# Altium PCB L1_SmashBoy_PCB2.PcbDoc (part 1 of 3) (continued)
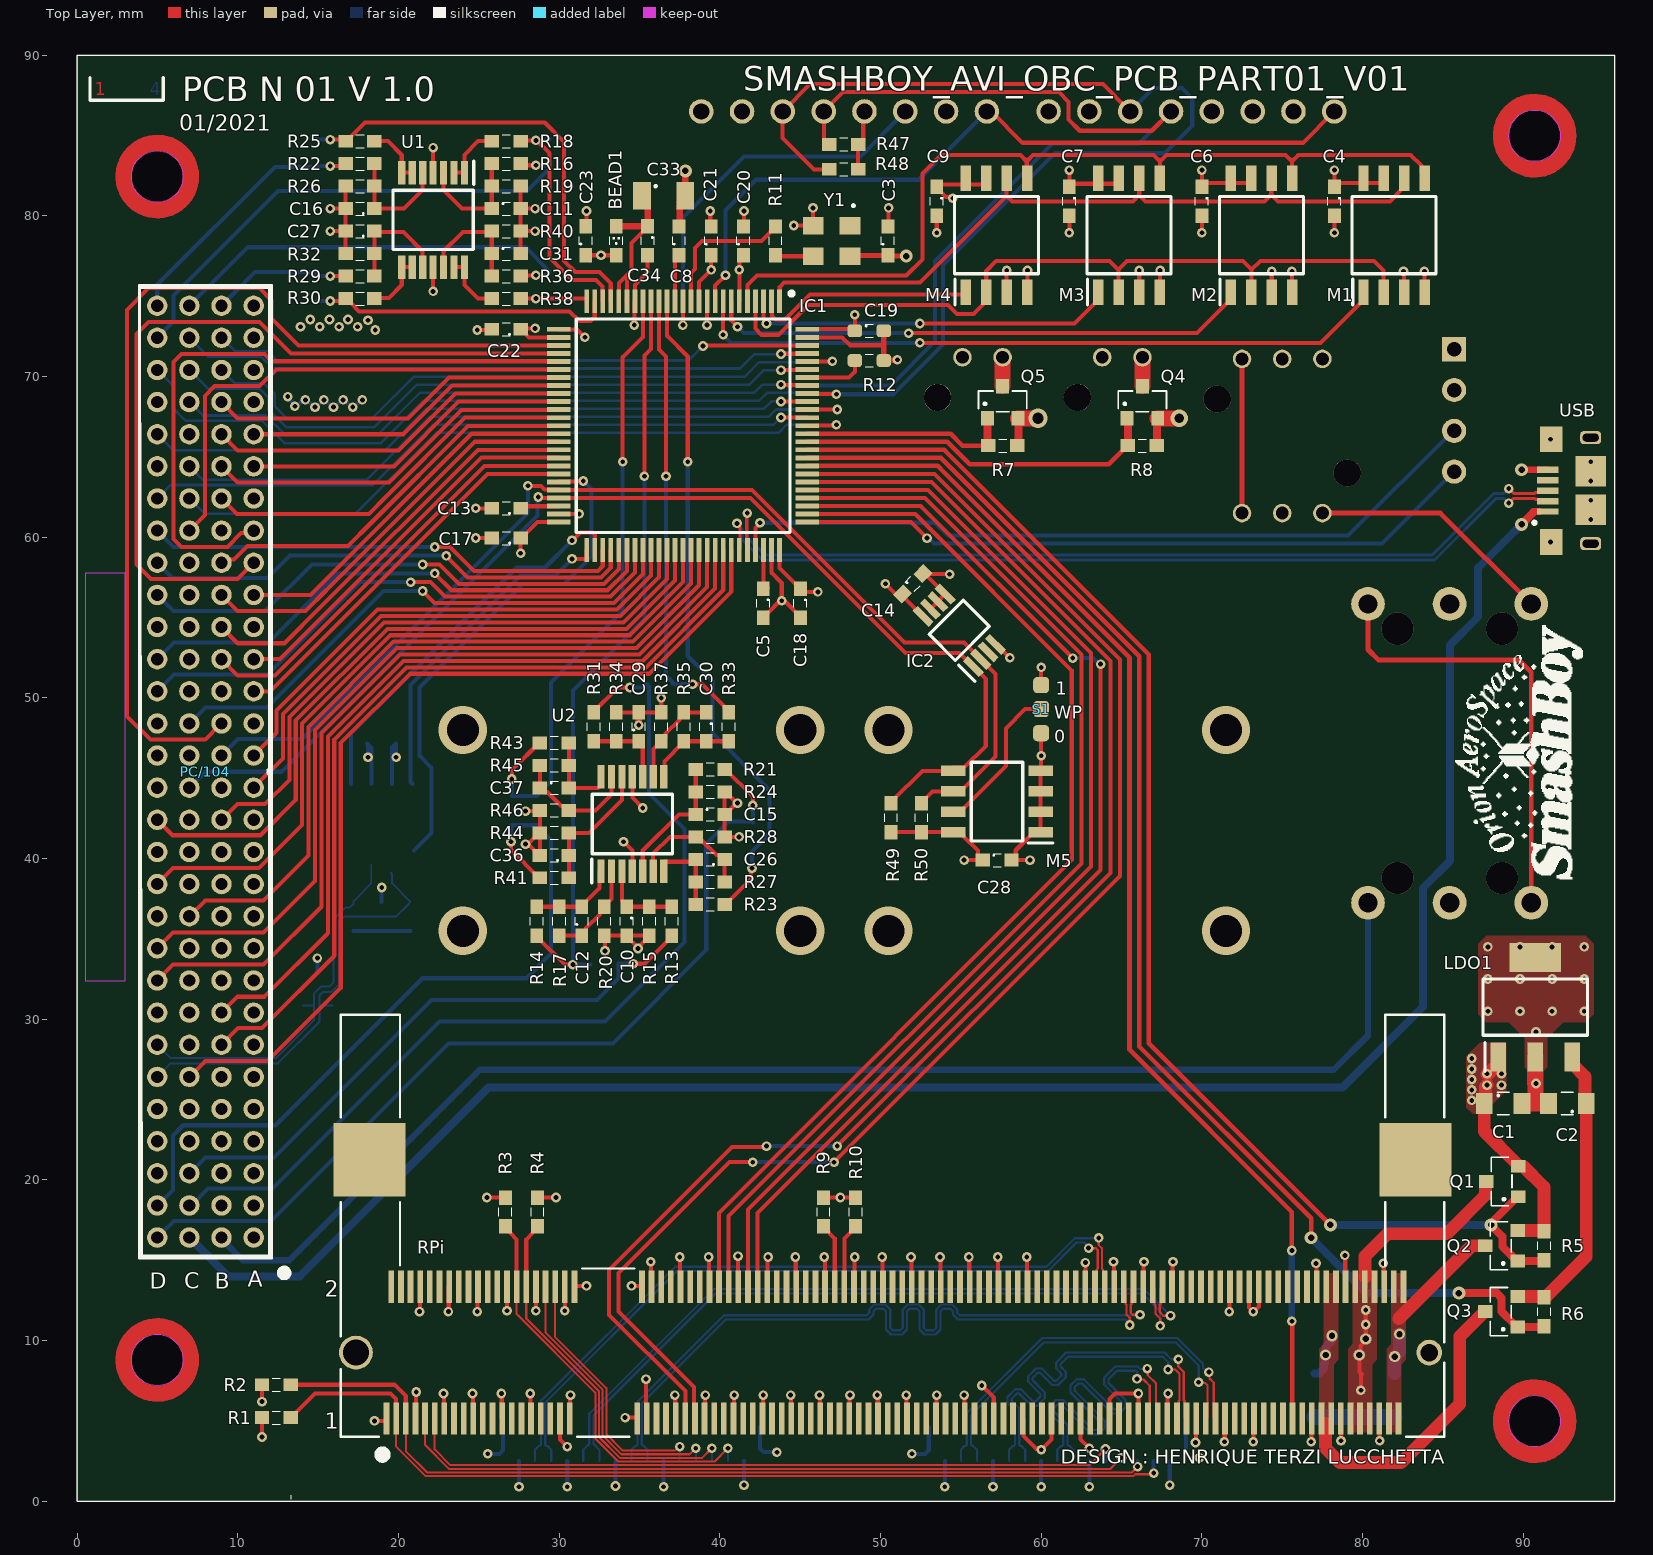
[diagram p0: Top Layer view]
## Components (designator, comment, footprint, x,y, rotation, side; value= is the part's Value field where it differs from the comment) (continued)
PC/104 "1375799-1" 1375799-1 4.98,16.41 r0 top locked
Q1 "IRLML6401" SOT-23 88.7,19.9 r180 top
Q2 "IRLML6401" SOT-23 88.65,15.9 r180 top
Q3 "IRLML6401" SOT-23 88.65,11.8 r180 top
Q4 "Si2312BDS" SOT-23 66.3,68.4 r90 top
Q5 "Si2312BDS" SOT-23 57.6,68.4 r90 top
R1 "1k8" RES0603#1 12.4,5.2 r180 top
R2 "1k8" RES0603#1 12.4,7.25 r180 top
R3 "1k8" RES0603#1 26.65,18 r90 top
R4 "1k8" RES0603#1 28.65,18 r90 top
R5 "100k" RES0603#1 91.3,15.9 r270 top
R6 "100k" RES0603#1 91.3,11.8 r270 top
R7 "10k" RES0603#1 57.6,65.7 r180 top
R8 "10k" RES0603#1 66.3,65.7 r180 top
R9 "100k" RES0603#1 46.45,18 r90 top
R10 "100k" RES0603#1 48.45,18 r90 top
R11 "22R" RES0603#1 43.459,78.44 r90 top
R12 "10k" RES0603#2 49.3,71 r0 top
R13 "R" RES0603#1 37,36.1 r270 top
R14 "1k" RES0603#1 28.6,36.1 r270 top
R15 "R" RES0603#1 35.6,36.1 r90 top
R16 "R" RES0603#1 26.7,83.25 r0 top
R17 "R" RES0603#1 30,36.1 r90 top
R18 "1k" RES0603#1 26.7,84.65 r0 top
R19 "R" RES0603#1 26.7,81.85 r180 top
R20 "R" RES0603#1 32.8,36.1 r90 top
R21 "R" RES0603#1 39.4,45.55 r0 top
R22 "R" RES0603#1 17.6,83.25 r180 top
R23 "1k" RES0603#1 39.4,37.15 r0 top
R24 "R" RES0603#1 39.4,44.15 r180 top
R25 "1k" RES0603#1 17.6,84.65 r180 top
R26 "R" RES0603#1 17.6,81.85 r0 top
R27 "R" RES0603#1 39.4,38.55 r180 top
R28 "R" RES0603#1 39.4,41.35 r180 top
R29 "R" RES0603#1 17.6,76.25 r180 top
R30 "1k" RES0603#1 17.6,74.85 r180 top
R31 "R" RES0603#1 32.15,48.2 r90 top
R32 "R" RES0603#1 17.6,77.65 r0 top
R33 "1k" RES0603#1 40.55,48.2 r90 top
R34 "R" RES0603#1 33.55,48.2 r270 top
R35 "R" RES0603#1 37.75,48.2 r270 top
R36 "R" RES0603#1 26.7,76.25 r0 top
R37 "R" RES0603#1 36.35,48.2 r270 top
R38 "1k" RES0603#1 26.7,74.85 r0 top
R39 "60" RES0603#1 17.2,36.4 r90 bottom
R40 "R" RES0603#1 26.7,79.05 r180 top
R41 "R" RES0603#1 29.7,38.8 r180 top
R42 "60" RES0603#1 20.7,36.4 r270 bottom
R43 "1k" RES0603#1 29.7,47.2 r180 top
R44 "R" RES0603#1 29.7,41.6 r0 top
R45 "R" RES0603#1 29.7,45.8 r0 top
R46 "R" RES0603#1 29.7,43 r0 top
R47 "10k" RES0603#1 47.7,84.45 r0 top
R48 "10k" RES0603#1 47.7,82.9 r0 top
R49 "10k" RES0603#1 50.65,42.55 r270 top
R50 "10k" RES0603#1 52.55,42.55 r270 top
RBF "Remove Before Flight" RBF 80.34,37.25 r90 bottom locked
RPi "Raspberry CM3" RPi-CM3 50.75,9.25 r0 top locked
S1 "Write Protection Select" Header-3P 59.95,49.2 r270 top
U1 "TSV994AIPT" SOP65P640X120-14N 22.15,79.75 r270 top
U2 "TSV994AIPT" SOP65P640X120-14N 34.55,42.15 r90 top
U3 "NUP2105L" SOT-23 14.9,31.9 r90 bottom locked
U4 "BNO055 Module" BNO055_M_TH 38.84,86.5 r0 bottom locked
U5 "BNO055 Module" BNO055_M_TH 60.46,86.5 r0 bottom locked
U6 "SN65HVD234" SOIC-8 18.95,42.2 r0 bottom
USB "Micro-USB" MicroUSB 94.2,62.9 r90 top locked
Y1 "ECS-3225MV-260-CN-TR" ECS3225MVQ250CNTR 46.959,78.44 r180 top

## Footprints (in the part's own frame and the unit in brackets; to place one, negate y for a bottom-side part, rotate by r counter-clockwise, add the part's x,y. Pads: shape width x height; smd on the part's side, far side on the other; paste and mask are expansions set on the pad)
2-1971800-4 [mm]
  round 1.15 hole 0.8: 1(0,0) 2(-2.5,0)
  round 1.7 hole 1.7 unplated: ""(1.55,-2.5)
  silkscreen extent -5,-4.32 3.28,3.05, body extent -5.02,-4.32 2.48,3.06, height 8.8
3-1971800-3 [mm]
  round 1.15 hole 0.8: 1(2.5,0) 2(0,0) 3(-2.5,0)
  round 1.7 hole 1.7 unplated: ""(4.05,-2.5)
  silkscreen extent -5,-4.32 5.78,3.43, body extent -5.04,-4.32 4.96,3.06, height 8.85
1375799-1 [mm] "PC/104 120 Position  2mm"
  round 1.27 hole 0.762 mask+0: 1(6,0) 2(6,2) 3(6,4) 4(6,6) 5(6,8) 6(6,10) 7(6,12) 8(6,14) 9(6,16) 10(6,18) 11(6,20) 12(6,22) 13(6,24) 14(6,26) 15(6,28) 16(6,30) 17(6,32) 18(6,34) 19(6,36) 20(6,38) 21(6,40) 22(6,42) 23(6,44) 24(6,46) 25(6,48) 26(6,50) 27(6,52) 28(6,54) 29(6,56) 30(6,58) 31(4,0) 32(4,2) 33(4,4) 34(4,6) 35(4,8) 36(4,10) 37(4,12) 38(4,14) 39(4,16) 40(4,18) 41(4,20) 42(4,22) 43(4,24) 44(4,26) 45(4,28) 46(4,30) 47(4,32) 48(4,34) 49(4,36) 50(4,38) 51(4,40) 52(4,42) 53(4,44) 54(4,46) 55(4,48) 56(4,50) 57(4,52) 58(4,54) 59(4,56) 60(4,58) 61(2,0) 62(2,2) 63(2,4) 64(2,6) 65(2,8) 66(2,10) 67(2,12) 68(2,14) 69(2,16) 70(2,18) 71(2,20) 72(2,22) 73(2,24) 74(2,26) 75(2,28) 76(2,30) 77(2,32) 78(2,34) 79(2,36) 80(2,38) 81(2,40) 82(2,42) 83(2,44) 84(2,46) 85(2,48) 86(2,50) 87(2,52) 88(2,54) 89(2,56) 90(2,58) 91(0,0) 92(0,2) 93(0,4) 94(0,6) 95(0,8) 96(0,10) 97(0,12) 98(0,14) 99(0,16) 100(0,18) 101(0,20) 102(0,22) 103(0,24) 104(0,26) 105(0,28) 106(0,30) 107(0,32) 108(0,34) 109(0,36) 110(0,38) 111(0,40) 112(0,42) 113(0,44) 114(0,46) 115(0,48) 116(0,50) 117(0,52) 118(0,54) 119(0,56) 120(0,58)
  silkscreen extent -1.13,-2.4 8.1,59.28, body extent -1,-1.15 7.39,59.15, height 9.45
BNO055_M_TH [mil] "Module Board"
  round 60 hole 40: 1(0,0) 2(100,0) 3(200,0) 4(300,0) 5(400,0) 6(500,0) 7(600,0) 8(700,0)
  silkscreen extent -52,-47 752,425, body extent -52,-49 752,425, height 208
CAP0603_060#1 [mm]
  rect 0.9x0.8 smd: 1(-0.9,0) 2(0.9,0)
  silkscreen extent -0.25,-0.4 0.25,0.4, body extent -0.8,-0.4 0.8,0.4, height 0.6
CAP0603_060#2 [mm]
  rrect50% 0.9x0.8 smd: 1(-0.9,0) 2(0.9,0)
  silkscreen extent -0.25,-0.4 0.25,0.4, body extent -0.8,-0.4 0.8,0.4, height 0.6
CAP0805_085 [mm]
  rect 1.05x1.3 smd: 1(-1.175,0) 2(1.175,0)
  silkscreen extent -0.38,-0.7 0.38,0.7, body extent -1,-0.62 1,0.63, height 0.85
CAP1206_090 [mm]
  rect 1.1x1.7 smd: 1(-1.35,0) 2(1.35,0)
  silkscreen extent -0.57,-0.8 0.4,0.8, body extent -1.6,-0.8 1.6,0.8, height 0.9
ECS3225MVQ250CNTR [mm]
  rect 1.3x1.1 smd: 1(-1.15,-0.95) 2(1.15,-0.95) 3(1.15,0.95) 4(-1.15,0.95)
  silkscreen extent -1.4,-2.25 -1.3,-2.15, body extent -1.69,-1.39 1.69,1.39, height 1.3
Header-3P [mm]
  rrect50% 1x1 smd: 1(-1.6,0.05) 2(-0.1,0.05) 3(1.4,0.05)
Header-4P-90 [mm]
  rect 1.5x1.5 hole 0.9: 1(-3.81,0)
  round 1.5 hole 0.9: 2(-1.27,0) 3(1.27,0) 4(3.81,0)
  silkscreen extent -5.08,-3.87 5.14,1.21, body extent -5.08,-10 5.08,0.32, height 2.55
IND0603 [mm]
  rect 0.9x0.8 smd: 1(-0.9,0) 2(0.9,0)
  silkscreen extent -0.25,-0.4 0.25,0.4, body extent -0.87,-0.47 0.88,0.48, height 0.9
MicroUSB [mm]
  rect 0.4x1.35 smd: 1(-1.3,2.675) 2(-0.65,2.675) 3(0,2.675) 4(0.65,2.675) 5(1.3,2.675)
  rrect50% 0.8x1.3 hole 0.5 slot 1 at 90 deg: SH(-3.3,0) SH(3.3,0)
  rect 1.6x1.4 smd: SH(-3.2,2.45) SH(3.2,2.45)
  rect 1.9x1.9 smd: SH(-1.2,0) SH(1.2,0)
  silkscreen extent -2.1,3.4 -1.9,3.6, body extent -3.93,-2.76 3.93,2.95, height 2.84
QFP50P1600X1600X160-100N [mm]
  rect 1.475x0.3 smd: 1(-7.738,6) 2(-7.738,5.5) 3(-7.738,5) 4(-7.738,4.5) 5(-7.738,4) 6(-7.738,3.5) 7(-7.738,3) 8(-7.738,2.5) 9(-7.738,2) 10(-7.738,1.5) 11(-7.738,1) 12(-7.738,0.5) 13(-7.738,0) 14(-7.738,-0.5) 15(-7.738,-1) 16(-7.738,-1.5) 17(-7.738,-2) 18(-7.738,-2.5) 19(-7.738,-3) 20(-7.738,-3.5) 21(-7.738,-4) 22(-7.738,-4.5) 23(-7.738,-5) 24(-7.738,-5.5) 25(-7.738,-6) 51(7.738,-6) 52(7.738,-5.5) 53(7.738,-5) 54(7.738,-4.5) 55(7.738,-4) 56(7.738,-3.5) 57(7.738,-3) 58(7.738,-2.5) 59(7.738,-2) 60(7.738,-1.5) 61(7.738,-1) 62(7.738,-0.5) 63(7.738,0) 64(7.738,0.5) 65(7.738,1) 66(7.738,1.5) 67(7.738,2) 68(7.738,2.5) 69(7.738,3) 70(7.738,3.5) 71(7.738,4) 72(7.738,4.5) 73(7.738,5) 74(7.738,5.5) 75(7.738,6)
  rect 0.3x1.475 smd: 26(-6,-7.738) 27(-5.5,-7.738) 28(-5,-7.738) 29(-4.5,-7.738) 30(-4,-7.738) 31(-3.5,-7.738) 32(-3,-7.738) 33(-2.5,-7.738) 34(-2,-7.738) 35(-1.5,-7.738) 36(-1,-7.738) 37(-0.5,-7.738) 38(0,-7.738) 39(0.5,-7.738) 40(1,-7.738) 41(1.5,-7.738) 42(2,-7.738) 43(2.5,-7.738) 44(3,-7.738) 45(3.5,-7.738) 46(4,-7.738) 47(4.5,-7.738) 48(5,-7.738) 49(5.5,-7.738) 50(6,-7.738) 76(6,7.738) 77(5.5,7.738) 78(5,7.738) 79(4.5,7.738) 80(4,7.738) 81(3.5,7.738) 82(3,7.738) 83(2.5,7.738) 84(2,7.738) 85(1.5,7.738) 86(1,7.738) 87(0.5,7.738) 88(0,7.738) 89(-0.5,7.738) 90(-1,7.738) 91(-1.5,7.738) 92(-2,7.738) 93(-2.5,7.738) 94(-3,7.738) 95(-3.5,7.738) 96(-4,7.738) 97(-4.5,7.738) 98(-5,7.738) 99(-5.5,7.738) 100(-6,7.738)
  silkscreen extent -8.35,-6.65 6.65,6.88, body extent -8,-8 8,8, height 1.6
RBF [mm]
  round 2.1 hole 1.2: 1(0,0) 2(0,5.08) 3(0,10.16) 4(18.6,0) 5(18.6,5.08) 6(18.6,10.16)
  silkscreen extent -0.05,-4.45 18.6,14.75, body extent -0.07,-4.48 18.63,23.12, height 8.5
RES0603#1 [mm]
  rect 0.9x0.8 smd: 1(-0.9,0) 2(0.9,0)
  silkscreen extent -0.25,-0.4 0.25,0.4, body extent -1.05,-0.4 1.05,0.4, height 0.5
RES0603#2 [mm]
  rrect50% 0.9x0.8 smd: 1(-0.9,0) 2(0.9,0)
  silkscreen extent -0.25,-0.4 0.25,0.4, body extent -1.05,-0.4 1.05,0.4, height 0.5
RPi-CM3 [mil]
  rect 14x79 smd paste+0 mask+0: 1(-1240.16,-161.5) 2(-1228.35,161.5) 3(-1216.54,-161.5) 4(-1204.73,161.5) 5(-1192.92,-161.5) 6(-1181.11,161.5) 7(-1169.3,-161.5) 8(-1157.49,161.5) 9(-1145.68,-161.5) 10(-1133.87,161.5) 11(-1122.06,-161.5) 12(-1110.25,161.5) 13(-1098.44,-161.5) 14(-1086.63,161.5) 15(-1074.82,-161.5) 16(-1063.01,161.5) 17(-1051.2,-161.5) 18(-1039.39,161.5) 19(-1027.58,-161.5) 20(-1015.77,161.5) 21(-1003.96,-161.5) 22(-992.15,161.5) 23(-980.34,-161.5) 24(-968.53,161.5) 25(-956.72,-161.5) 26(-944.91,161.5) 27(-933.1,-161.5) 28(-921.29,161.5) 29(-909.48,-161.5) 30(-897.67,161.5) 31(-885.86,-161.5) 32(-874.05,161.5) 33(-862.24,-161.5) 34(-850.43,161.5) 35(-838.62,-161.5) 36(-826.81,161.5) 37(-815,-161.5) 38(-803.19,161.5) 39(-791.38,-161.5) 40(-779.57,161.5) 41(-626.03,-161.5) 42(-614.22,161.5) 43(-602.41,-161.5) 44(-590.6,161.5) 45(-578.79,-161.5) 46(-566.98,161.5) 47(-555.17,-161.5) 48(-543.36,161.5) 49(-531.55,-161.5) 50(-519.74,161.5) 51(-507.93,-161.5) 52(-496.12,161.5) 53(-484.31,-161.5) 54(-472.5,161.5) 55(-460.69,-161.5) 56(-448.88,161.5) 57(-437.07,-161.5) 58(-425.26,161.5) 59(-413.45,-161.5) 60(-401.64,161.5) 61(-389.83,-161.5) 62(-378.02,161.5) 63(-366.21,-161.5) 64(-354.4,161.5) 65(-342.59,-161.5) 66(-330.78,161.5) 67(-318.97,-161.5) 68(-307.16,161.5) 69(-295.35,-161.5) 70(-283.54,161.5) 71(-271.73,-161.5) 72(-259.92,161.5) 73(-248.11,-161.5) 74(-236.3,161.5) 75(-224.49,-161.5) 76(-212.68,161.5) 77(-200.87,-161.5) 78(-189.06,161.5) 79(-177.25,-161.5) 80(-165.44,161.5) 81(-153.63,-161.5) 82(-141.82,161.5) 83(-130.01,-161.5) 84(-118.2,161.5) 85(-106.39,-161.5) 86(-94.58,161.5) 87(-82.77,-161.5) 88(-70.96,161.5) 89(-59.15,-161.5) 90(-47.34,161.5) 91(-35.53,-161.5) 92(-23.72,161.5) 93(-11.91,-161.5) 94(-0.1,161.5) 95(11.71,-161.5) 96(23.52,161.5) 97(35.33,-161.5) 98(47.14,161.5) 99(58.95,-161.5) 100(70.76,161.5) 101(82.57,-161.5) 102(94.38,161.5) 103(106.19,-161.5) 104(118,161.5) 105(129.81,-161.5) 106(141.62,161.5) 107(153.43,-161.5) 108(165.24,161.5) 109(177.05,-161.5) 110(188.86,161.5) 111(200.67,-161.5) 112(212.48,161.5) 113(224.29,-161.5) 114(236.1,161.5) 115(247.91,-161.5) 116(259.72,161.5) 117(271.53,-161.5) 118(283.34,161.5) 119(295.15,-161.5) 120(306.96,161.5) 121(318.77,-161.5) 122(330.58,161.5) 123(342.39,-161.5) 124(354.2,161.5) 125(366.01,-161.5) 126(377.82,161.5) 127(389.63,-161.5) 128(401.44,161.5) 129(413.25,-161.5) 130(425.06,161.5) 131(436.87,-161.5) 132(448.68,161.5) 133(460.49,-161.5) 134(472.3,161.5) 135(484.11,-161.5) 136(495.92,161.5) 137(507.73,-161.5) 138(519.54,161.5) 139(531.35,-161.5) 140(543.16,161.5) 141(554.97,-161.5) 142(566.78,161.5) 143(578.59,-161.5) 144(590.4,161.5) 145(602.21,-161.5) 146(614.02,161.5) 147(625.83,-161.5) 148(637.64,161.5) 149(649.45,-161.5) 150(661.26,161.5) 151(673.07,-161.5) 152(684.88,161.5) 153(696.69,-161.5) 154(708.5,161.5) 155(720.31,-161.5) 156(732.12,161.5) 157(743.93,-161.5) 158(755.74,161.5) 159(767.55,-161.5) 160(779.36,161.5) 161(791.17,-161.5) 162(802.98,161.5) 163(814.79,-161.5) 164(826.6,161.5) 165(838.41,-161.5) 166(850.22,161.5) 167(862.03,-161.5) 168(873.84,161.5) 169(885.65,-161.5) 170(897.46,161.5) 171(909.27,-161.5) 172(921.08,161.5) 173(932.89,-161.5) 174(944.7,161.5) 175(956.51,-161.5) 176(968.32,161.5) 177(980.13,-161.5) 178(991.94,161.5) 179(1003.75,-161.5) 180(1015.56,161.5) 181(1027.37,-161.5) 182(1039.18,161.5) 183(1050.99,-161.5) 184(1062.8,161.5) 185(1074.61,-161.5) 186(1086.42,161.5) 187(1098.23,-161.5) 188(1110.04,161.5) 189(1121.85,-161.5) 190(1133.66,161.5) 191(1145.47,-161.5) 192(1157.28,161.5) 193(1169.09,-161.5) 194(1180.9,161.5) 195(1192.71,-161.5) 196(1204.52,161.5) 197(1216.33,-161.5) 198(1228.14,161.5) 199(1239.95,-161.5) 200(1251.76,161.5)
  round 83 hole 63 unplated: 202(-1315.04,0)
  round 63 hole 43 mask+0: 203(1314.96,0)
  rect 177x181 smd: 204(-1281.5,472.44) 205(1281.5,472.44)
  silkscreen extent -1352,-260 1352,828, body extent -1402,-196 1413,1182, height 205
RPi_CAM_V2 [mm]
  body extent 0,0 25,24, height 9.15
SFW15R1STE1LF [mm]
  rect 0.6x2 smd: 1(-7,0.5) 2(-6,0.5) 3(-5,0.5) 4(-4,0.5) 5(-3,0.5) 6(-2,0.5) 7(-1,0.5) 8(0,0.5) 9(1,0.5) 10(2,0.5) 11(3,0.5) 12(4,0.5) 13(5,0.5) 14(6,0.5) 15(7,0.5)
  rect 0.7x4.2 smd: MP1(-8,-1.6) MP2(8,-1.6)
  silkscreen extent -10.4,-7.1 10.4,1.1, body extent -10.4,-6.5 10.4,0, height 2.7
SOIC127P600X175-8N [mm]
  rect 1.525x0.65 smd: 1(-2.712,1.905) 2(-2.712,0.635) 3(-2.712,-0.635) 4(-2.712,-1.905) 5(2.712,-1.905) 6(2.712,-0.635) 7(2.712,0.635) 8(2.712,1.905)
  silkscreen extent -3.47,-2.45 1.6,2.58, body extent -3,-2.45 3,2.45, height 1.75
SOIC127P780X195-8N [mm]
  rect 1.6x0.65 smd: 1(-3.55,1.905) 2(-3.55,0.635) 3(-3.55,-0.635) 4(-3.55,-1.905) 5(3.55,-1.905) 6(3.55,-0.635) 7(3.55,0.635) 8(3.55,1.905)
  silkscreen extent -4.35,-2.62 2.4,2.62, body extent -3.9,-2.61 3.9,2.62, height 1.95
SOIC-8 [mm]
  rrect15% 0.6x1.9 smd: 1(-1.905,-2.455) 2(-0.635,-2.455) 3(0.635,-2.455) 4(1.905,-2.455) 5(1.905,2.455) 6(0.635,2.455) 7(-0.635,2.455) 8(-1.905,2.455)
  silkscreen extent -2.45,-1.95 2.45,1.95, body extent -2.5,-3.1 2.5,3.1, height 1.9
SOP65P490X110-8N [mm]
  rect 1.425x0.45 smd: 1(-2.212,0.975) 2(-2.212,0.325) 3(-2.212,-0.325) 4(-2.212,-0.975) 5(2.212,-0.975) 6(2.212,-0.325) 7(2.212,0.325) 8(2.212,0.975)
  silkscreen extent -2.93,-1.5 1.15,1.55, body extent -2.45,-1.5 2.45,1.5, height 1.1
SOP65P640X120-14N [mm]
  rect 1.475x0.45 smd: 1(-2.938,1.95) 2(-2.938,1.3) 3(-2.938,0.65) 4(-2.938,0) 5(-2.938,-0.65) 6(-2.938,-1.3) 7(-2.938,-1.95) 8(2.938,-1.95) 9(2.938,-1.3) 10(2.938,-0.65) 11(2.938,0) 12(2.938,0.65) 13(2.938,1.3) 14(2.938,1.95)
  silkscreen extent -3.67,-2.5 1.85,2.52, body extent -3.2,-2.5 3.2,2.5, height 1.2
SOT230P700X180-4N [mm]
  rect 1.8x0.95 smd: 1(-3.1,2.3) 2(-3.1,0) 3(-3.1,-2.3)
  rect 1.8x3.2 smd: 4(3.1,0)
  silkscreen extent -4,-3.25 1.75,3.25, body extent -3.5,-3.25 3.5,3.25, height 1.8
SOT-23 [mm]
  rect 0.9x0.8 smd: 1(-1,0.95) 2(-1,-0.95) 3(1,0)
  silkscreen extent -0.6,-1.5 0.7,1.5, body extent -1.3,-1.45 1.3,1.45, height 1

## Part data
BEAD1: library part IND0603, "Indutor SDM 0603"
C1 C2: library part CAP0805, "Capacitor SDM 0805"
C3 C4 C5 C6 C7 C8 C9 C10 C11 C12 C13 C14 C15 C16 C17 C18 C19 C20 C21 C22 C23 C26 C27 C28 C29 C30 C31 C32 C34 C35 C36 C37: library part CAP0603, "Capacitor SDM 0603"
C24 C25 C33 C38 C39 C40: library part CAP1206, "Capacitor SDM 1206"
Cam1 Cam2: library part RPi_Cam_V2
H1: library part Header-4P, "Header 4 Pinos"
IC1: "Integrated Circuit", Manufacturer_Name=STMicroelectronics, Mouser Part Number=511-STM32H750VBT6, Arrow Part Number=STM32H750VBT6, Arrow Price/Stock=https://www.arrow.com/en/products/stm32h750vbt6/stmicroelectronics, Datasheet Link=https://www.st.com/resource/en/datasheet/stm32h750vb.pdf, Height=1.6mm, Manufacturer_Part_Number=STM32H750VBT6, Mouser Price/Stock=https://www.mouser.co.uk/ProductDetail/STMicroelectronics/STM32H750VBT6?qs=%252BEew9%252B0nqrBAeuu%2FsQQSzQ%3D%3D
IC2: "Integrated Circuit", Manufacturer_Name=Nexperia, Mouser Part Number=N/A, Datasheet Link=http://docs-emea.rs-online.com/webdocs/0b4c/0900766b80b4c8ed.pdf, Height=1.1mm, Manufacturer_Part_Number=LM75ADP, Mouser Price/Stock=https://www.mouser.com/Search/Refine.aspx?Keyword=N%2FA
J1 J2: "GRACE INERTIA 2.5, PCB Mount Header, Vertical, Wire-to-Board, 3 Position, 2.5mm [.098in] Centerline, 1 Row, Tin, Red Housing Color, Shrouded"
J3 J4: "GRACE INERTIA 2.5, PCB Mount Header, Vertical, Wire-to-Board, 2 Position, 2.5mm [.098in] Centerline, 1 Row, Tin, Yellow Housing"
J5 J6: library part SFW15R, "Camera Raspberry Pi connector /  / 15 Pos", Manufacturer_Name=Amphenol, Mouser Part Number=649-SFW15R-1STE1LF, Arrow Part Number=SFW15R-1STE1LF, Arrow Price/Stock=https://www.arrow.com/en/products/sfw15r-1ste1lf/amphenol-fci, Datasheet Link=https://componentsearchengine.com/Datasheets/1/SFW15R-1STE1LF.pdf, Height=2.7mm, Manufacturer_Part_Number=SFW15R-1STE1LF, Mouser Price/Stock=https://www.mouser.co.uk/ProductDetail/Amphenol-FCI/SFW15R-1STE1LF/?qs=XRaITl65jnv68s03BNJRSQ%3D%3D
J7 J8 J9 J10 J11 J12 J13 J14 R1 R2 R3 R4 R5 R6 R7 R8 R9 R10 R11 R12 R13 R14 R15 R16 R17 R18 R19 R20 R21 R22 R23 R24 R25 R26 R27 R28 R29 R30 R31 R32 R33 R34 R35 R36 R37 R38 R39 R40 R41 R42 R43 R44 R45 R46 R47 R48 R49 R50: library part RES0603, "Resistor SMD 0603"
LDO1: library part TL1963A-33DCYR, "Power Supply", Manufacturer_Name="Texas Instruments", Mouser Part Number=595-TL1963A-33DCYR, Arrow Part Number=TL1963A-33DCYR, Arrow Price/Stock=https://www.arrow.com/en/products/tl1963a-33dcyr/texas-instruments, Datasheet Link=http://www.ti.com/lit/gpn/tl1963a, Height=1.8mm, Manufacturer_Part_Number=TL1963A-33DCYR, Mouser Price/Stock=https://www.mouser.co.uk/ProductDetail/Texas-Instruments/TL1963A-33DCYR?qs=IK5e5L0zOXhRu%2FNTAfJNEA%3D%3D
M1 M2 M3 M4: "Inductor", Arrow Part Number="W25Q128JVSIQ TR", Manufacturer_Name=Winbond, Mouser Part Number=454-W25Q128JVSIQTR, Arrow Price/Stock=https://www.arrow.com/en/products/w25q128jvsiqtr/winbond-electronics, Datasheet Link=http://www.winbond.com/resource-files/w25q128jv%20spi%20revc%2011162016.pdf, Height=1.95mm, Manufacturer_Part_Number="W25Q128JVSIQ TR", Mouser Price/Stock=https://www.mouser.co.uk/ProductDetail/Winbond/W25Q128JVSIQ-TR?qs=qSfuJ%252Bfl%2Fd7vTyLA9kNdGw%3D%3D
M5: "Integrated Circuit", Arrow Part Number=24LC04BT-I/SN, Manufacturer_Name=Microchip, Mouser Part Number=579-24LC04BT-I/SN, Arrow Price/Stock=https://www.arrow.com/en/products/24lc04bt-isn/microchip-technology, Datasheet Link=http://ww1.microchip.com/downloads/en/DeviceDoc/21708G.pdf, Height=1.75mm, Manufacturer_Part_Number=24LC04BT-I/SN, Mouser Price/Stock=https://www.mouser.co.uk/ProductDetail/Microchip-Technology/24LC04BT-I-SN?qs=C%252BuF95oynlkH1rHYRC6xpQ%3D%3D
PC/104: "AMPMODU PC/104, PC/104 Connectors, Board-to-Board, 120 Position, 2mm [.079in] Centerline, Printed Circuit Board, 3A Contact Current Rating (Max)"
Q1 Q2 Q3: "P-Channel MOSFET / Vds: -12V / Id: -4.3A / V(GS)th: -0.95 max"
Q4 Q5: library part Si2312, "N-Channel MOSFET / Vds: 20V / Id: 3.1A, 5sec: 5A / Vth: 0.85 max"
RBF: library part RBF
RPi: library part Raspberry_CM3
S1: library part Header-3P, "Header 3 Pinos"
U1 U2: library part TSV994, "Rail-to-rail input/output 20 MHz GBP operational amplifiers", Manufacturer_Name=STMicroelectronics, Mouser Part Number=511-TSV994AIPT, Arrow Part Number=TSV994AIPT, Arrow Price/Stock=https://www.arrow.com/en/products/tsv994aipt/stmicroelectronics, Datasheet Link=http://www.st.com/st-web-ui/static/active/en/resource/technical/document/datasheet/CD00144611.pdf, Height=1.2mm, Manufacturer_Part_Number=TSV994AIPT, Mouser Price/Stock=https://www.mouser.co.uk/ProductDetail/STMicroelectronics/TSV994AIPT/?qs=Djavi1aLnwoYgszHfckxOw%3D%3D
U3: "Par de diodos protetores da CAN"
U4 U5: library part BNO055_M, "Smart sensor combining accelerometer, gyroscope, magnetometer and orientation software. Euler angles, quaternion, rotation vector, etc."
U6: "3.3-V Automotive CAN Bus Transceivers"
USB: library part USB-Micro
Y1: library part ECS-3225MV-250-BN-TR, "Crystal or Oscillator", Manufacturer_Name=ECS, Mouser Part Number=520-3225MV-250-BNT, Arrow Part Number=ECS-3225MV-250-BN-TR, Arrow Price/Stock=https://www.arrow.com/en/products/ecs-3225mv-250-bn-tr/ecs-international, Datasheet Link=https://componentsearchengine.com/Datasheets/1/ECS-3225MV-250-BN-TR.pdf, Height=1.2mm, Manufacturer_Part_Number=ECS-3225MV-250-BN-TR, Mouser Price/Stock=https://www.mouser.co.uk/ProductDetail/ECS/ECS-3225MV-250-BN-TR?qs=qSfuJ%252Bfl%2Fd73PYo4tF1NlA%3D%3D

## Via types
v1: diameter 0.6, hole 0.3, Top Layer to Bottom Layer, tented both sides, 280 vias
v2: diameter 0.8, hole 0.4, Top Layer to Bottom Layer, tented both sides, 8 vias
v3: diameter 3, hole 2, Top Layer to Bottom Layer, 8 vias
v4: diameter 0.7, hole 0.4, Top Layer to Bottom Layer, tented both sides, 6 vias
v5: diameter 2, hole 2, Top Layer to Bottom Layer, 4 vias
v6: diameter 1.2, hole 0.7, Top Layer to Bottom Layer, tented both sides, 1 vias
v7: diameter 1.1, hole 0.6, Top Layer to Bottom Layer, tented both sides, 1 vias

## Nets (pads, with @x,y where several pads share a name; then routed paths per layer and width w, separated by ;. In a path a pad name is that pad's centre, name@x,y a point inside that pad or via, vN(x,y) a via of type N, cw(c..) or ccw(c..) an arc to the next point about the centre after c; other vN are vias at no path point)
3V3: BEAD1.1 C1.1 C3.1 C4.1 C6.1 C7.1 C9.1 C14.1 C17.1 C18.1 C19.1 C20.1 C21.1 C22.1 C23.1 C24.1 C25.1 C28.1 C35.1 H1.1 IC1.6 IC1.11 IC1.27 IC1.50 IC1.75 IC1.100 IC2.8 LDO1.1 M1.3 M1.7 M1.8 M2.3 M2.7 M2.8 M3.3 M3.7 M3.8 M4.3 M4.7 M4.8 M5.8 PC/104.8 PC/104.12 PC/104.17 PC/104.41 PC/104.45 PC/104.70 PC/104.74 PC/104.98 PC/104.103 PC/104.107 Q1.2 Q2.2 R5.1 R47.2 R48.2 R49.2 R50.2 S1.1 U1.4 U2.4 U4.1 U4.5 U5.1 U6.3 Y1.4 | length 117.6
  Top Layer w0.254: U1.4@22.15,82.688 v1(22.15,84.25) ; v1(27.6,59) 27.6,59.931 C17.1@27.609,59.94 27.659,59.94 28.659,60.94 IC1.50@29.971,60.94 ; v1(28.5,73) 27.669,73 C22.1@27.609,72.94 27.659,72.94 27.932,72.667 27.932,72.617 28.109,72.44 IC1.27@29.459,72.44 ; C23.1@31.923,77.227 31.65,77.5 C23.1@31.65,77.55 v1(32.6,77.55) BEAD1.1@33.55,77.55 ; v1(34,41.05) 34.55,40.5 U2.4@34.55,39.212 ; IC1.11@38.709,74.69 38.709,75.89 v1(39.459,76.64) C21.1@39.459,77.54 ; IC1.6@41.209,74.678 v1(41.209,76.65) 41.209,77.29 C20.1@41.459,77.54 ; IC1.75@43.709,59.202 43.709,58.091 44.676,57.124 44.737,57.124 44.9,56.961 C18.1@44.9,56.9 ; C18.1@45,56.961 C18.1@45,56.883 ; C18.1@45.01,56.801 45,56.811 C18.1@45,56.883 ; IC1.100@45.447,72.94 45.457,72.95 C19.1@48.3,72.95 ; v1(46.1,56.6) 45.283,56.6 C18.1@45,56.883 ; C19.1@48.4,72.85 v1(48.4,73.85) ; R48.2@48.6,82.9 R47.2@48.6,84.45 48.65,84.45 48.923,84.723 48.923,86.423 U4.5@48.95,86.45 ; v1(50.3,57.1) 50.957,56.443 51.343,56.443 C14.1@51.364,56.464 ; C3.1@50.459,77.54 C3.1@50.5,77.5 ; R49.2@50.65,41.65 R50.2@52.5,41.65 ; C14.1@51.4,56.4 51.4,56.321 IC2.8@52.646,55.075 ; R50.2@52.55,41.65 54.55,41.65 M5.8@54.55,41.6 ; v1(54.5,81.1) 54.434,81.166 54.084,81.166 53.625,81.625 53.625,81.975 53.5,81.85 C9.1@53.5,81.8 53.65,81.95 55.262,81.95 55.385,82.073 55.508,81.95 56.382,81.95 56.58,82.148 M4.7@56.58,82.35 ; M5.8@54.953,41.6 55.02,41.6 55.173,41.447 55.173,41.379 56.061,40.492 56.061,39.939 C28.1@56.1,39.9 ; v1(55.2,39.9) C28.1@56.1,39.9 ; M4.8@55.31,82.148 M4.8@55.31,82.35 ; C28.1@56.35,39.9 C28.1@56.1,39.9 ; M4.3@57.85,75.25 v1(57.85,76.6) ; S1.1@60,50.8 v1(60,51.9) ; C7.1@61.75,81.8 v1(61.75,82.85) ; C7.1@61.752,82 63.362,82 M3.8@63.56,82.198 ; M3.8@63.56,82.35 M3.8@63.56,82.198 ; M3.7@64.83,82.35 64.83,82.198 64.632,82 63.758,82 M3.8@63.56,82.198 ; M3.3@66.1,75.25 v1(66.1,76.6) ; C6.1@70,81.8 C6.1@70,82.05 ; v1(70,82.85) C6.1@70,82.05 ; M2.8@71.81,82.35 M2.8@71.81,82.248 ; M2.7@73.08,82.35 73.08,82.248 72.882,82.05 72.008,82.05 M2.8@71.81,82.248 ; M2.3@74.35,75.25 v1(74.35,76.55) ; C4.1@78.25,81.8 v1(78.25,82.85) ; C4.1@78.365,82.05 79.862,82.05 M1.8@80.06,82.248 ; M1.8@80.06,82.35 M1.8@80.06,82.248 ; M1.7@81.33,82.35 81.33,82.248 81.132,82.05 80.258,82.05 M1.8@80.06,82.248 ; v1(82.55,76.55) 82.575,76.525 82.575,75.275 M1.3@82.6,75.25 ; C6.1@70,82.05 71.612,82.05 M2.8@71.81,82.248
  Top Layer w0.3: Y1.4@48.109,77.54 C3.1@50.459,77.54 ; C3.1@50.5,77.5 v2(51.6,77.5)
  Top Layer w0.8: v1(87.75,25.9) 87.65,25.8 87.65,24.825 C1.1@87.575,24.75 87.575,23.025 89.65,20.95 89.65,20.85 89.75,20.85 Q1.2@89.7,20.85 90,20.85 91.3,19.55 91.3,16.85 Q2.2@89.65,16.85 ; v1(87.75,26.6) 87.825,26.6 88.45,27.225 LDO1.1@88.45,27.65
  Int2 (PWR) w0.254: PC/104.103@4.9,40.5 PC/104.103@5.07,40.5
  Int2 (PWR) w0.5: 22.15,77.9 v1(22.15,84.25) ; 33.124,55.272 33.124,41.926 v1(34,41.05)
  Int2 (PWR) w1: PC/104.103@5.07,40.5 PC/104.74@6.98,42.41
  Bottom Layer w0.254: v1(13.1,68.75) 13.1,68.675 13.55,68.225 v1(13.55,68.15) 13.644,68.15 13.977,68.484 14.134,68.484 v1(14.2,68.55) 14.275,68.55 14.725,68.1 v1(14.8,68.1) 14.85,68.1 15.3,68.55 v1(15.35,68.55) 15.425,68.55 15.875,68.1 v1(15.95,68.1) 16.025,68.1 16.475,68.55 v1(16.55,68.55) 16.625,68.55 17.075,68.1 17.236,68.1 17.686,68.55 v1(17.75,68.55) ; U6.3@19.585,44.655 19.6,44.67 19.6,46.9 C35.1@19.85,47.15 v1(19.85,46.3)
  other v1: 86.8,24.95 86.8,25.6 88.65,25.9 86.8,26.25 88.65,26.6 86.8,26.9 86.8,27.55 17.15,68.1
CAM0_C_N: J5.8 RPi.144 | length 45.9
  Top Layer w0.14: RPi.144@65.746,13.352 65.638,13.244 65.638,12.281 65.58,12.223 65.58,11.723 65.702,11.6 v1(66.15,11.6)
  Bottom Layer w0.14: J5.8@34.5,2.5 34.5,3.2 34.73,3.43 34.785,3.43 34.867,3.512 34.867,6.194 40.253,11.58 48.993,11.58 49.141,11.58 49.296,11.735 49.296,11.935 49.607,12.246 50.293,12.246 50.604,11.935 50.604,10.791 50.759,10.636 51.224,10.636 51.379,10.791 51.379,11.935 51.69,12.246 52.376,12.246 52.687,11.935 52.687,10.791 52.842,10.636 53.307,10.636 53.462,10.791 53.462,11.935 53.773,12.246 54.459,12.246 54.77,11.935 54.77,11.735 54.925,11.58 55.368,11.58 66.13,11.58 v1(66.15,11.6)
CAM0_C_P: J5.9 RPi.142 | length 45.2
  Top Layer w0.14: RPi.142@65.146,13.352 65.254,13.244 65.254,12.281 65.313,12.223 65.313,11.612 65.514,11.411 v1(65.514,10.964)
  Bottom Layer w0.14: J5.9@35.5,2.5 35.5,3.2 35.243,3.457 35.215,3.457 35.133,3.539 35.133,6.083 40.363,11.313 48.993,11.313 49.252,11.313 49.563,11.624 49.563,11.825 49.718,11.98 50.183,11.98 50.338,11.825 50.338,10.681 50.649,10.37 51.334,10.37 51.646,10.681 51.646,11.825 51.801,11.98 52.265,11.98 52.42,11.825 52.42,10.681 52.731,10.37 53.417,10.37 53.728,10.681 53.728,11.825 53.883,11.98 54.348,11.98 54.503,11.825 54.503,11.624 54.814,11.313 55.368,11.313 65.258,11.313 65.514,11.058 v1(65.514,10.964)
CAM0_D0_N: J5.2 RPi.138 | length 46
  Top Layer w0.14: v1(63.586,16.386) 63.586,15.939 63.78,15.745 63.78,14.481 63.838,14.423 63.838,13.46 RPi.138@63.946,13.352
  Bottom Layer w0.14: J5.2@28.5,2.5 28.5,3.2 28.73,3.43 28.785,3.43 28.867,3.512 28.867,6.244 37.223,14.6 60.323,14.6 62.089,16.366 63.566,16.366 v1(63.586,16.386)
CAM0_D0_P: J5.3 RPi.136 | length 44.9
  Top Layer w0.14: v1(62.95,15.75) 63.398,15.75 63.513,15.635 63.513,14.481 63.454,14.423 63.454,13.46 RPi.136@63.346,13.352
  Bottom Layer w0.14: J5.3@29.5,2.5 29.5,3.2 29.27,3.43 29.215,3.43 29.133,3.512 29.133,6.133 37.333,14.333 60.433,14.333 62.2,16.1 62.695,16.1 62.95,15.844 v1(62.95,15.75)
CAM0_D1_N: J5.5 RPi.150 | length 45.6
  Top Layer w0.14: RPi.150@67.546,13.352 67.438,13.244 67.438,12.281 67.379,12.223 67.379,11.773 67.602,11.55 v1(68.05,11.55)
  Bottom Layer w0.14: J5.5@31.5,2.5 31.5,3.2 31.775,3.475 31.785,3.475 31.867,3.557 31.867,5.444 39.623,13.2 66.4,13.2 67.126,12.474 67.663,11.937 v1(68.05,11.55)
CAM0_D1_P: J5.6 RPi.148 | length 45.4
  Top Layer w0.14: RPi.148@66.946,13.352 67.054,13.244 67.054,12.281 67.113,12.223 67.113,11.662 67.414,11.361 v1(67.414,10.914)
  Bottom Layer w0.14: J5.6@32.5,2.5 32.5,3.2 32.225,3.475 32.215,3.475 32.133,3.557 32.133,5.333 39.733,12.933 66.29,12.933 66.859,12.364 67.416,11.807 67.416,10.916 v1(67.414,10.914)
CAM1_C_N: J6.8 RPi.149 | length 24.2
  Top Layer w0.14: v1(66.6,8.25) 66.638,8.212 66.638,7.847 67.138,7.347 67.138,5.256 RPi.149@67.246,5.148
  Bottom Layer w0.14: J6.8@61,2.5 61,3.2 61.23,3.43 61.285,3.43 61.367,3.512 61.367,4.53 61.367,4.629 60.527,5.468 60.527,5.918 60.913,6.303 61.363,6.303 63.232,4.433 63.461,4.433 63.69,4.662 63.69,4.891 61.821,6.761 61.821,7.211 62.206,7.596 62.656,7.596 64.525,5.727 64.754,5.727 64.983,5.956 64.983,6.185 63.92,7.248 63.92,7.697 64.613,8.39 64.738,8.39 66.012,8.39 66.172,8.23 66.58,8.23 v1(66.6,8.25)
CAM1_C_P: J6.9 RPi.147 | length 23.3
  Top Layer w0.14: v1(65.964,7.614) 66.002,7.575 66.367,7.575 66.754,7.188 66.754,5.256 RPi.147@66.646,5.148
  Bottom Layer w0.14: J6.9@62,2.5 62,3.2 61.77,3.43 61.715,3.43 61.633,3.512 61.633,4.264 61.633,4.739 60.794,5.579 60.794,5.808 61.023,6.037 61.252,6.037 63.122,4.167 63.572,4.167 63.957,4.552 63.957,5.002 62.087,6.872 62.087,7.101 62.316,7.33 62.545,7.33 64.415,5.46 64.865,5.46 65.25,5.845 65.25,6.295 64.187,7.358 64.187,7.587 64.723,8.123 65.005,8.123 65.902,8.123 65.984,8.041 65.984,7.634 v1(65.964,7.614)
CAM1_D0_N: J6.2 RPi.161 | length 24.3
  Top Layer w0.14: v1(70.436,8.036) 70.475,7.998 70.475,7.633 70.738,7.37 70.738,5.256 RPi.161@70.846,5.148
  Bottom Layer w0.14: J6.2@55,2.5 55,3.2 55.23,3.43 55.285,3.43 55.367,3.512 55.367,5.467 60.05,10.15 68.479,10.15 70.067,8.562 70.067,8.272 70.148,8.19 70.159,8.19 70.312,8.036 v1(70.436,8.036)
CAM1_D0_P: J6.3 RPi.159 | length 23.5
  Top Layer w0.14: v1(69.8,7.4) 69.838,7.362 70.203,7.362 70.354,7.211 70.354,5.256 RPi.159@70.246,5.148
  Bottom Layer w0.14: J6.3@56,2.5 56,3.2 55.743,3.457 55.715,3.457 55.633,3.539 55.633,5.356 60.16,9.883 68.368,9.883 69.8,8.451 v1(69.8,7.4)
CAM1_D1_N: J6.5 RPi.155 | length 24.3
  Top Layer w0.14: v1(68.536,8.836) 68.536,8.389 68.879,8.046 68.879,6.277 68.938,6.219 68.938,5.256 RPi.155@69.046,5.148
  Bottom Layer w0.14: J6.5@58,2.5 58,3.2 58.23,3.43 58.285,3.43 58.367,3.512 58.367,5.568 58.367,5.667 57.9,6.134 57.9,6.492 58.377,6.969 58.735,6.969 59.503,6.201 59.641,6.201 59.961,6.521 59.961,6.659 59.193,7.427 59.193,7.785 59.67,8.262 60.028,8.262 60.796,7.494 60.934,7.494 61.254,7.814 61.254,7.952 60.932,8.274 60.932,8.632 61.147,8.847 61.55,9.25 61.838,9.25 67.675,9.25 68.089,8.836 v1(68.536,8.836)
CAM1_D1_P: J6.6 RPi.153 | length 23.4
  Top Layer w0.14: v1(67.9,8.2) 68.348,8.2 68.613,7.935 68.613,6.277 68.554,6.219 68.554,5.256 RPi.153@68.446,5.148
  Bottom Layer w0.14: J6.6@59,2.5 59,3.2 58.77,3.43 58.715,3.43 58.633,3.512 58.633,5.302 58.633,5.778 58.167,6.244 58.167,6.381 58.488,6.702 58.625,6.702 59.393,5.934 59.751,5.934 60.228,6.411 60.228,6.769 59.46,7.537 59.46,7.674 59.781,7.995 59.918,7.995 60.686,7.227 61.044,7.227 61.521,7.704 61.521,8.062 61.199,8.384 61.199,8.522 61.335,8.658 ; 61.335,8.658 61.66,8.983 62.105,8.983 67.565,8.983 67.9,8.648 v1(67.9,8.2)
CAN_N: PC/104.96 R42.1 U3.1 U6.6 | length 26.5
  Bottom Layer w0.12: PC/104.96@4.98,26.41 5.815,27.245 12.486,27.245 15.08,29.838 15.08,30.85 ; U3.1@15.9,30.85 15.08,30.85 ; U6.6@19.535,39.1 19.6,39.035 19.6,38.45 20.7,37.35 R42.1@20.7,37.3 ; R42.1@20.65,37.2 19.85,36.4 16.65,36.4 16.28,36.03 16.28,32.143 15.836,31.7 15.3,31.7 15.08,31.48 15.08,30.85
CAN_P: PC/104.97 R39.2 U3.2 U6.7 | length 23.3
  Bottom Layer w0.12: PC/104.97@4.98,28.41 5.815,27.575 12.35,27.575 14.75,29.975 14.75,30.85 ; U3.2@14.05,30.85 14.75,30.85 ; R39.2@17.2,37.2 16.943,36.943 16.693,36.943 15.95,36.2 15.95,32.28 15.7,32.03 15.164,32.03 14.75,31.616 14.75,30.85 ; R39.2@17.2,37.3 17.2,37.35 18.3,38.45 U6.7@18.3,39.6